# Altium PCB MyNixie - V2-Release.PcbDoc (part 1 of 2) (continued)
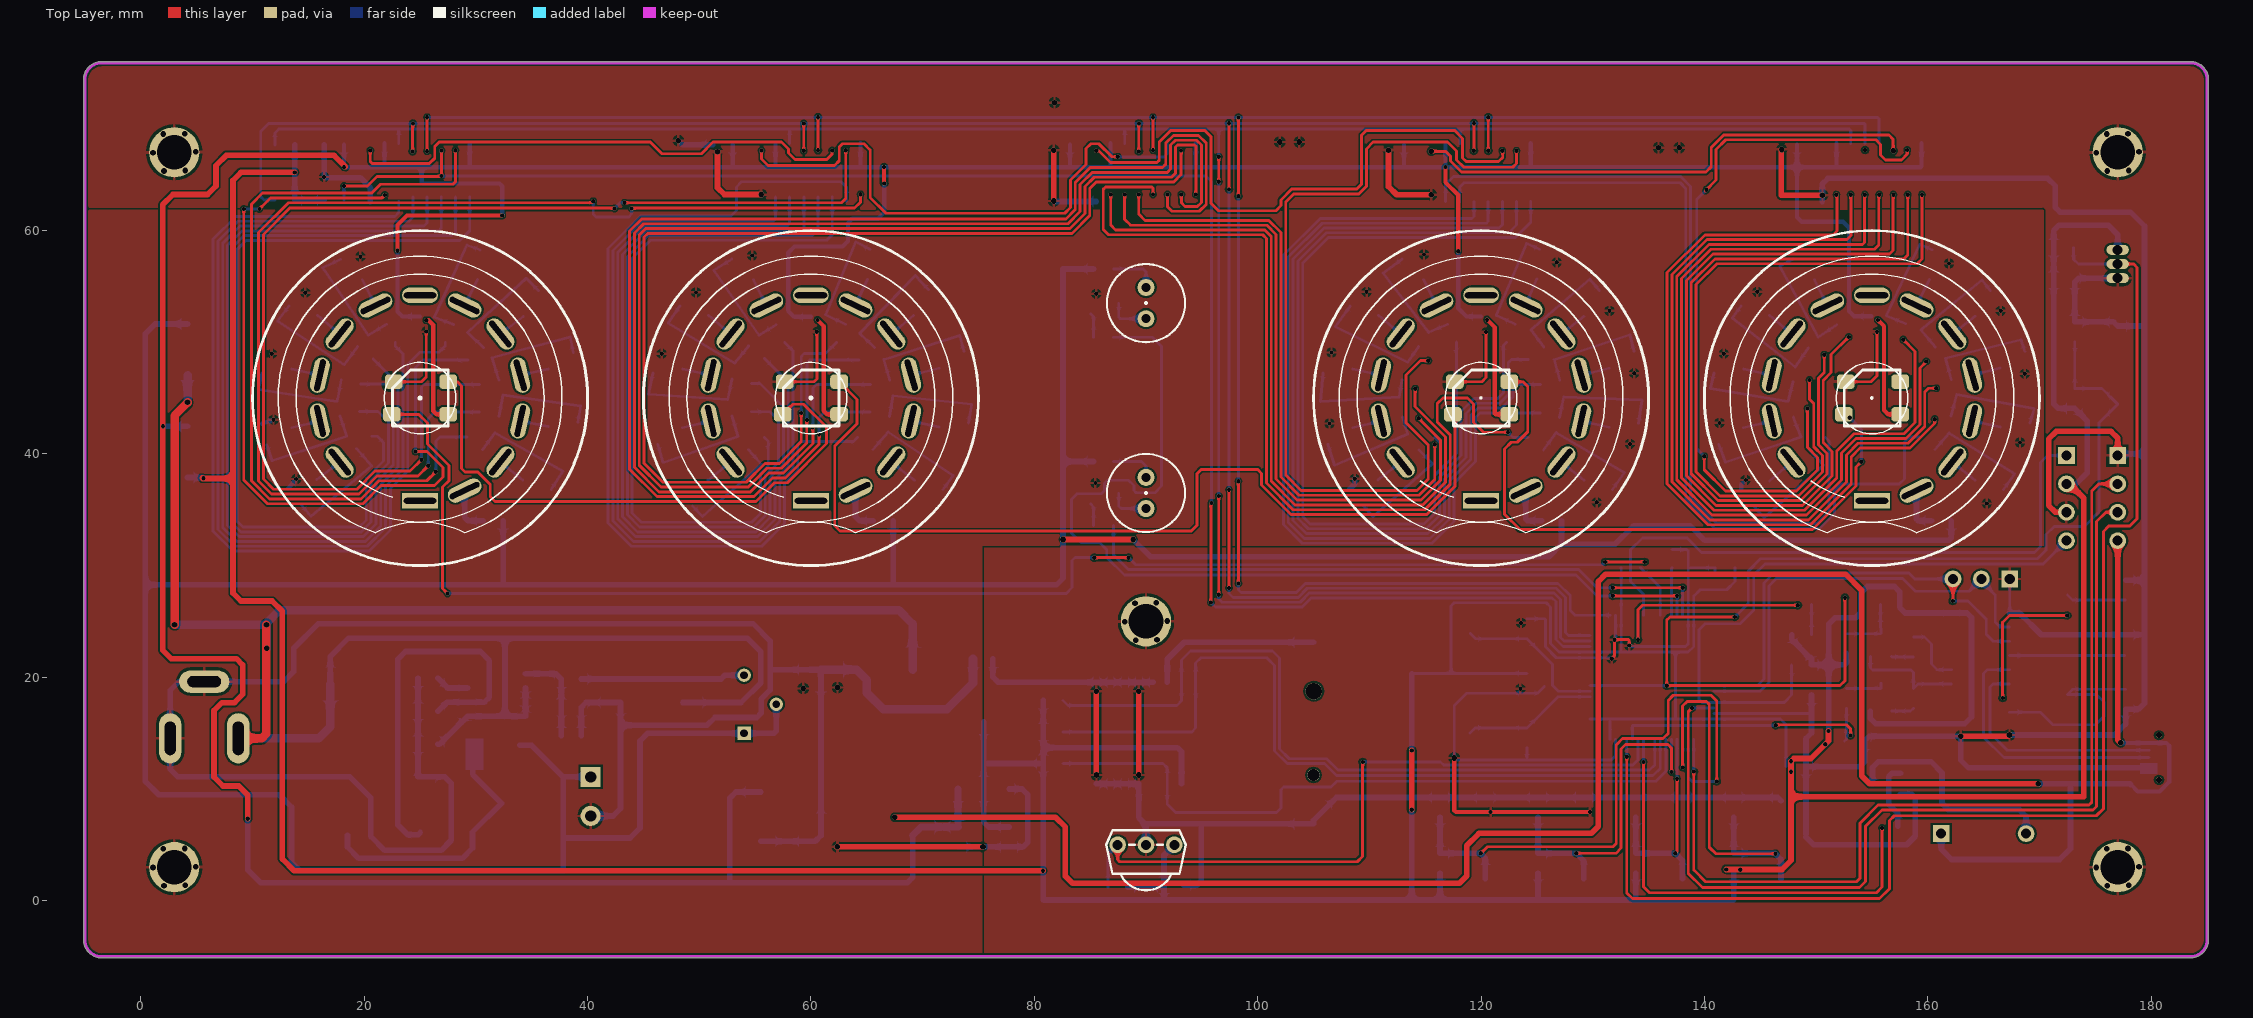
[diagram p0: Top Layer view]
## Footprints (in the part's own frame and the unit in brackets; to place one, negate y for a bottom-side part, rotate by r counter-clockwise, add the part's x,y. Pads: shape width x height; smd on the part's side, far side on the other; paste and mask are expansions set on the pad) (continued)
LC-SOIC-16_150mil [mm]
  oval 0.6x1.8 smd: 1(-4.445,-2.6) 2(-3.175,-2.6) 3(-1.905,-2.6) 4(-0.635,-2.6) 5(0.635,-2.6) 6(1.905,-2.6) 7(3.175,-2.6) 8(4.445,-2.6) 9(4.445,2.6) 10(3.175,2.6) 11(1.905,2.6) 12(0.635,2.6) 13(-0.635,2.6) 14(-1.905,2.6) 15(-3.175,2.6) 16(-4.445,2.6)
  silkscreen extent -5.4,-3.05 4.97,1.4
LC-SOIC-16_300mil [mm]
  oval 0.6x2.3 smd: 1(-4.445,-4.55) 2(-3.175,-4.55) 3(-1.905,-4.55) 4(-0.635,-4.55) 5(0.635,-4.55) 6(1.905,-4.55) 7(3.175,-4.55) 8(4.445,-4.55) 9(4.445,4.55) 10(3.175,4.55) 11(1.905,4.55) 12(0.635,4.55) 13(-0.635,4.55) 14(-1.905,4.55) 15(-3.175,4.55) 16(-4.445,4.55)
  silkscreen extent -5.45,-5.25 5.1,3
LC-SOT-23(SOT-23-3) [mm]
  rect 1.25x0.7 smd: 1(1.25,-0.95) 2(1.25,0.95) 3(-1.25,0)
  silkscreen extent -0.65,-1.46 0.9,1.46, body extent -1.5,-1.5 1.5,1.5, height 1.3
LC-SOT-223 [mm]
  rect 2.2x1 smd: 1(3,-2.3) 2(3,0) 3(3,2.3)
  rect 2.2x3.5 smd: 2(-3,0)
  silkscreen extent -1.4,-3 1.4,3, body extent -3.49,-3.24 3.49,3.24, height 1.64
LC-TO-252-2-180 [mm] "180度编带包装"
  rect 2.2x1.2 smd: 1(0,2.361) 3(0.004,-2.361)
  rect 6.5x6 smd: 2(7,0)
  silkscreen extent 1.5,-3.57 10.75,3.57, body extent -0.2,-3.27 9.74,3.27, height 2.44
"MP1584 MODULE" [mm] "Mini360"
  rect 4x4 smd: 1(-7.429,4.102) 2(-7.429,-4.102) 3(7.43,-4.102) 4(7.43,4.102)
  silkscreen extent -8.47,-5.6 8.6,5.55
NEON [mil]
  round 60 hole 31.5: 1(55,0) 2(-55,0)
  silkscreen extent -138,-138 138,138
QS30-1 [mm]
  rect 3.2x1.4 hole 0.5 slot 2.9 at 0 deg: 1(0,-9.2)
  oval 3.2x1.4 hole 0.5 slot 2.9 at 25.71 deg rot 25.71: 2(3.992,-8.289) 9(-3.992,8.289)
  oval 3.2x1.4 hole 0.5 slot 2.9 at 51.43 deg rot 51.43: 3(7.193,-5.736) 10(-7.193,5.736)
  oval 3.2x1.4 hole 0.5 slot 2.9 at 77.14 deg rot 77.14: 4(8.969,-2.047) 11(-8.969,2.047)
  oval 3.2x1.4 hole 0.5 slot 2.9 at 106.06 deg rot 102.86: 5(8.969,2.047)
  oval 3.2x1.4 hole 0.5 slot 2.9 at 128.57 deg rot 128.57: 6(7.193,5.736) 13(-7.193,-5.736)
  oval 3.2x1.4 hole 0.5 slot 2.9 at 154.29 deg rot 154.29: 7(3.992,8.289)
  oval 3.2x1.4 hole 0.5 slot 2.9 at 0 deg: 8(0,9.2)
  oval 3.2x1.4 hole 0.5 slot 2.9 at 102.86 deg rot 102.86: 12(-8.969,-2.047)
  silkscreen extent -15,-15 15,15, body extent -13.99,-14.02 14,13.97, height 40
SW_PB2_A1 [mm]
  rect 1.5x2.5 smd: 1(0,3.556) 2(0,-3.444)
  silkscreen extent -2,-3.19 2,3.31, body extent -2.03,-3.17 2.03,3.3, height 1.2
TO-92A [mm]
  oval 2x0.9 hole 0.9: 1(0,-1.27) 2(0,0) 3(0,1.27)
  silkscreen extent -2.48,-2.48 1.5,2.48
USB_MICRO [mm] "USB方孔"
  oct 0.4x1.8 smd: 1(1.24,1.651) 2(1.89,1.651) 3(2.54,1.651) 4(3.19,1.651) 5(3.84,1.651)
  oct 2.286x1.9 smd: 6(5.969,-1.27) 7(-0.889,-1.27)
  round 0.54 hole 0.54: ""(0.54,0.753) ""(4.54,0.753)
  silkscreen extent -0.38,-3.56 5.33,1.4, body extent -0.43,-3.61 5.38,1.47, height 1.85
VR_B1 [mm] "Potentiometer; 3 Leads"
  rect 1.2x1.2 hole 0.7: 1(-2.6,0)
  round 1.2 hole 0.7: 2(0,2.873) 3(2.6,0)
  silkscreen extent -3.5,-3 3.5,4
WS2812 [mm]
  rrect50% 1.6x1.3 smd: 1(-2.527,1.461) 2(-2.527,-1.46) 3(2.349,-1.46) 4(2.527,1.461)
  silkscreen extent -2.53,-2.5 2.48,2.5, body extent -2.53,-2.5 2.48,2.5, height 2
X-SM49 [mm]
  oval 4.4x1.5 smd: 1(4.45,0.004) 2(-4.45,-0.004)
  silkscreen extent -5.7,-2.5 5.72,2.5, body extent -5.72,-2.54 5.72,2.54, height 4
螺丝孔-3MM [mm]
  round 4.5 hole 3.1: 1(0,0)

## Part data
BT1: library part Battery, "备份电池"
C1 C2 C3 C4 C5 C6 C7 C8 C11 C15 C16 C17 C18 C19 C20 C21 C22 C23 C24 C27 C28 C29 C30 C31: library part "0805 100nF(104) 10% 50V", "贴片电容"
C9: library part "0805 1nF (102) 10% 50V", "贴片电容"
C10 C12: library part "Cap Pol1", "极性电解电容"
C13 C14 C25 C26: library part "0805 20pF (200) 5% 50V", "贴片电容"
C32: library part "0805 22uF (226) 20% 25V", "贴片电容"
D1: library part "SMB/DO-214AA P6SMB6.8CA", "TVS"
D2: library part "D Schottky", "Schottky Diode"
D3: library part "0805 红灯", "发光二极管"
D4: library part "LL-34 LL4148 LL-34 1206", "开关二极管"
J1: library part PWRCON, "直流电源端子"
J2 J3 J4 J5 J6: library part CHECK, "测试点"
J7: library part USB_M, "MicroUSB接口"
J8: library part BEEP, "蜂鸣器"
L1: library part "Inductor Iron", "Magnetic-Core Inductor"
L2: library part "0805 100uH 10%", "贴片电感"
P1 P2: library part "Header 4", "接插件"
P3: library part "Header 3", "接插件"
Q1 Q2 Q4 Q5 Q6 Q7 Q8 Q9 Q10 Q11 Q12 Q13 Q14 Q15 Q16 Q17 Q18 Q19 Q20 Q21 Q22 Q23 Q24 Q25 Q26 Q27 Q28 Q29 Q30 Q31 Q32 Q33 Q34 Q35 Q36 Q37 Q38 Q39 Q40 Q41 Q42 Q43 Q44 Q46: library part "SOT-23 SS8050 Y1", "三极管"
Q3: library part NMOS-2, "N-Channel Power MOSFET"
Q45: library part "SOT-23 SS8550 Y2", "三极管"
R1 R14 R17 R18 R19 R69 R70 R71 R72: library part "0805 10KΩ (1002) 1%", "贴片电阻"
R2 R9 R22 R23 R24 R25 R26 R29 R30 R31 R32 R33 R34 R35 R36 R37 R38 R40 R41 R42 R43 R44 R45 R46 R47 R48 R49 R50 R51 R52 R53 R54 R55 R56 R57 R58 R59 R61 R62 R63 R64 R65: library part "0805 24KΩ (2402) 1%", "贴片电阻"
R3: library part "0805 2KΩ (2001) 1%", "贴片电阻"
R4: library part "0805 270KΩ (2703) 1%", "贴片电阻"
R5 R11: library part "0805 240KΩ (2403) 1%", "贴片电阻"
R6 R8 R15 R16: library part "0805 20KΩ (2002) 1%", "贴片电阻"
R7: library part RES-RPot, "精密可调电阻"
R10: library part "0805 330Ω (3300) 1%", "贴片电阻"
R12 R21 R27 R39 R66 R67 R68 R73 R75: library part "0805 4.7KΩ (4701) 1%", "贴片电阻"
R13 R20 R28 R60 R74: library part "0805 1KΩ (1001) 1%", "贴片电阻"
S1 S2 S3 S4 S5: library part SW-PB, "微动开关"
T1 T2 T3 T4 T5: library part M3铜柱螺丝孔
T6 T7 T8 T9: library part QS30-1, "南昌辉光管"
U1: library part "MP1584 Module"
U2 U3 U4 U5: library part WS2812-LED
U6: library part MC34063A
U7: library part STM32F103RBT6, "ARM"
U8: library part CH340G, "USB"
U9 U10 U11 U12 U13: library part 74HC595D, "74系列逻辑芯片"
U14: library part DS18B20, "温度传感器"
U15: library part DS3231M+TRL, "实时时钟"
U16: library part HS0038B, "红外接收器"
UP1 UP2: library part Neon, "氖泡"
VR1: library part "SOT-223 AMS1117-3.3", "低压差线性稳压(LDO)"
Y1 Y2: library part XTAL, "晶振"

## Via types
v1: diameter 0.381, hole 0.381, Top Layer to Bottom Layer, 190 vias
v2: diameter 0.508, hole 0.508, Top Layer to Bottom Layer, 66 vias

## Nets (pads, with @x,y where several pads share a name; then routed paths per layer and width w, separated by ;. In a path a pad name is that pad's centre, name@x,y a point inside that pad or via, vN(x,y) a via of type N, cw(c..) or ccw(c..) an arc to the next point about the centre after c; other vN are vias at no path point)
3V3: C2.2 C15.1 C16.1 C17.1 C27.2 C32.1 D3.A J5.1 P1.2 Q45.2 R1.1 R12.2 R18.1 R19.2 R21.1 R27.1 R39.1 R66.2 R67.2 R68.2 R69.1 R70.1 R71.1 R72.1 R73.1 R75.1 U7.1 U7.13 U7.19 U7.32 U7.48 U7.64 U8.16 U14.3 U15.2 U16.3 VR1.2 | length 553
  Top Layer w0.508: v1@5.486,37.846 5.537,37.795 8.255,37.795 ; v1(13.792,65.202) 8.966,65.202 8.255,64.491 8.255,37.795 ; v1(80.772,2.667) 13.741,2.667 12.675,3.734 12.675,25.908 11.76,26.822 8.966,26.822 8.255,27.534 8.255,37.795 ; v1(113.792,8.128) v1(113.792,13.437) ; v1(141.961,2.794) 146.939,2.794 147.752,3.607 147.752,9.296 ; v1(151.105,15.189) 151.105,14.3 149.53,12.725 148.006,12.725 v1(147.752,12.471) v1(147.752,11.532) 147.752,9.296 ; P1.2@172.415,37.313 172.695,37.313 173.965,36.043 173.965,9.296 147.752,9.296
  Bottom Layer w0.254: 113.792,20.295 113.848,20.35 C16.1@124.1,20.35 ; 117.318,20.35 117.318,26.386 117.602,26.67 125.832,26.67 126.213,26.289 126.213,23.012 126.975,22.25 U7.13@129.75,22.25 132.511,22.25 ; U7.1@129.75,16.25 131.496,16.25 ; U7.64@131.55,14.45 131.55,16.196 131.496,16.25 ; R12.2@132.51,29.8 132.55,29.76 U7.19@132.55,25.55 132.55,22.289 132.511,22.25 ; C17.1@142.738,29.8 142.738,28.576 142,27.838 139.624,27.838 139.05,27.265 U7.32@139.05,25.55 139.05,22.769 138.531,22.25 137.414,22.25 ; C15.1@147.31,12 147.31,15.758 146.818,16.25 U7.48@140.85,16.25 137.389,16.25 ; 131.496,16.25 137.389,16.25 ; 132.511,22.25 137.414,22.25 ; 137.389,16.25 137.414,16.275 137.414,22.25
  Bottom Layer w0.508: J5.1@4.183,37.878 5.556,37.878 v1(5.613,37.821) ; R27.1@13.79,67.67 R21.1@13.79,62.737 R39.1@16.41,62.737 ; VR1.2@75.465,16 75.465,12.3 ; C2.2@77.73,6.59 75.91,6.59 75.465,7.035 VR1.2@75.465,10 75.465,12.3 ; R68.2@80.79,17.93 R67.2@80.79,15.105 80.79,13.7 ; R75.1@88.39,1.2 C32.1@91.61,1.2 ; 91.61,0.068 C32.1@91.61,1.2 ; U16.3@92.54,5 91.61,4.07 C32.1@91.61,1.2 ; U15.2@93.175,10.45 93.175,13.325 92.8,13.7 80.79,13.7 ; v1(113.792,8.128) 113.792,0.053 ; v1(113.792,13.437) 113.792,20.295 ; R72.1@116.33,2.455 116.33,0.053 ; R71.1@125.097,2.455 125.097,0.054 125.095,0.053 ; R70.1@133.863,2.455 133.863,0.109 133.807,0.053 ; R69.1@142.63,2.455 142.63,0.111 142.572,0.053 133.807,0.053 ; D3.A@147.81,23.803 147.81,23.386 149.59,21.606 R1.1@149.59,21.107 151.13,21.107 ; v1(150.825,13.995) 151.13,14.3 151.13,21.107 ; R19.2@152.71,22.12 152.71,21.265 152.552,21.107 151.13,21.107 ; Q45.2@154.86,16.967 154.86,16.311 155.346,15.824 163.297,15.824 163.906,16.434 163.906,25.349 163.497,25.758 U8.16@162.12,25.758 157.985,25.758 157.48,26.264 157.48,27.661 157.023,28.118 154.584,28.118 154,27.534 154,25.781 153.547,25.328 151.693,25.328 151.13,24.765 151.13,21.107 ; P1.2@172.415,37.313 173.279,37.313 174.269,38.303 174.269,42.953 R18.1@173.15,44.072 171.675,44.072 171.272,44.476 C27.2@171.272,55.551 R66.2@171.272,58.449 171.272,59.994 171.755,60.477 176.149,60.477 177,59.626 U14.3@177,58.27 ; 75.465,12.3 75.485,12.28 R73.1@80.79,12.28 ; R73.1@80.79,12.28 80.79,0.084 80.821,0.053 113.792,0.053 ; R73.1@80.79,12.28 80.79,13.7 ; 113.792,0.053 116.33,0.053 ; 116.33,0.053 125.095,0.053 ; 125.095,0.053 133.807,0.053
  other v1: 143.205,2.769
+5: C1.2 C4.1 C5.1 C6.1 C7.1 C19.1 C20.1 C21.1 C22.1 C23.1 D1.1 J4.1 J7.1 J8.1 P2.4 U1.3 U2.1 U3.1 U4.1 U5.1 U9.10 U9.16 U10.10 U10.16 U11.10 U11.16 U12.10 U12.16 U13.10 U13.16 VR1.3 | length 682.8
  Top Layer w0.381: v1(22.987,58.191) 22.987,60.503 23.825,61.341 v1(32.36,61.341) ; 25.756,51.968 26.187,51.537 26.187,43.84 26.488,43.539 U2.1@27.527,43.539 ; v1(60.579,51.994) 61.138,51.435 61.138,43.866 61.464,43.539 U3.1@62.527,43.539 ; v1@66.548,64.237 v1(66.548,65.684) ; v1(116.815,65.684) 116.815,64.313 117.958,63.17 v1(117.958,58.141) ; v1(120.523,52.019) 121.234,51.308 121.234,43.612 121.307,43.539 U4.1@122.527,43.539 ; v1(155.524,51.994) 156.083,51.435 156.083,43.917 156.46,43.539 U5.1@157.527,43.539
  Top Layer w0.508: v1(9.576,7.341) 9.576,9.449 8.763,10.262 7.366,10.262 6.553,11.074 6.553,17.018 7.264,17.729 8.382,17.729 9.119,18.466 9.119,21.107 8.56,21.666 2.718,21.666 1.956,22.428 1.956,62.306 2.87,63.221 5.969,63.221 6.731,63.983 6.731,65.811 7.645,66.726 17.297,66.726 v1@18.313,65.71 ; v2(67.513,7.468) 81.89,7.468 82.779,6.579 82.779,2.184 83.414,1.549 118.059,1.549 118.72,2.21 118.72,4.928 119.812,6.02 129.87,6.02 130.505,6.655 130.505,28.575 131.166,29.235 152.629,29.235 154.076,27.788 154.076,11.176 154.788,10.465 v2(169.875,10.465) ; P2.4@177,32.233 177,14.389 v2(177.267,14.122)
  Bottom Layer w0.381: C19.1@18.19,67.67 v1(18.19,65.663) 25.146,65.663 ; 21.825,65.682 U9.10@21.825,67.803 ; v1(22.987,58.191) 22.987,52.73 23.418,52.3 C4.1@25,52.3 ; 29.445,65.694 U9.16@29.445,67.803 ; v1(32.36,61.341) 32.36,63.957 32.106,64.211 25.248,64.211 25.146,64.313 25.146,65.663 ; 52.99,65.682 C20.1@52.99,67.67 ; 56.825,65.683 U10.10@56.825,67.803 ; C7.1@59.995,52.274 58.495,52.274 57.963,52.807 57.963,58.014 58.522,58.572 62.846,58.572 63.322,59.049 63.322,60.681 63.703,61.062 65.989,61.062 66.573,61.646 v1(66.573,64.211) ; 64.445,65.683 U10.16@64.445,67.803 ; 83.19,65.683 C21.1@83.19,67.67 ; 86.825,65.67 U11.10@86.825,67.803 ; 94.445,65.696 U11.16@94.445,67.803 ; 113.09,65.697 C22.1@113.09,67.67 ; v1@116.825,65.678 U12.10@116.825,67.803 ; v1(117.958,58.141) 117.958,53.035 118.693,52.3 C6.1@120,52.3 ; 124.445,65.678 U12.16@124.445,67.803 ; C23.1@148.29,67.67 148.29,65.663 ; 151.825,65.672 U13.10@151.825,67.803 ; C5.1@154.965,52.325 153.39,52.325 152.933,52.781 152.933,60.249 152.4,60.782 148.692,60.782 148.29,61.184 148.29,65.663 ; U13.16@159.445,67.803 159.445,65.752 159.356,65.663 148.29,65.663 ; v2@177.254,14.11 J7.1@179.799,14.11 181.368,14.11 181.61,13.868 181.61,10.617 180.772,9.779 178.791,9.779 178.181,10.389 ; 25.146,65.663 148.29,65.663
  Bottom Layer w0.508: v1@1.956,42.494 v1(1.987,42.463) J4.1@4.183,42.463 ; v1(9.576,7.341) 9.576,2.743 10.719,1.6 68.631,1.6 69.102,2.072 U1.3@69.102,5.819 ; 52.73,1.6 52.73,9.169 53.29,9.729 D1.1@55.5,9.729 ; J8.1@161.2,6 161.2,4.611 162.128,3.683 171.806,3.683 172.771,4.648 172.771,10.439 ; v2(169.875,10.465) 178.105,10.465 178.181,10.389
  Bottom Layer w0.635: U1.3@69.102,5.819 69.873,6.59 C1.2@73.2,6.59 73.165,6.625 VR1.3@73.165,10
  other v1: 25.552,51.968
+12: C11.2 C12.1 J1.1 J3.1 L1.1 U1.2 U6.1 U6.6 U6.7 U6.8 | length 192.3
  Top Layer w0.762: v2(3.023,24.714) 3.023,43.434 4.183,44.594 v2(4.183,44.611) ; J1.1@8.724,14.53 10.822,14.53 11.252,14.961 v2(11.252,24.714)
  Bottom Layer w0.508: L1.1@16.96,19.383 16.96,21.86 18.6,23.5 54.3,23.5 55.5,22.3 55.5,19.5 53.735,17.735 C12.1@48.534,17.735 ; C11.2@26.6,14 26.745,14 U6.1@29.25,16.505 32.6,16.505 ; 32.6,23.5 32.6,16.505 ; U6.6@34.45,19.045 U6.7@34.45,17.775 U6.8@34.45,16.505 32.6,16.505
  Bottom Layer w0.762: v2(3.023,24.714) v2(11.252,24.714) ; J3.1@4.183,47.048 v2(4.183,44.611) v2@4.191,44.602 ; J1.1@8.724,14.53 15.93,14.53 16.96,15.56 L1.1@16.96,19.383 ; v2(11.278,22.606) 11.278,24.867 12.421,26.01 67.869,26.01 69.102,24.776 U1.2@69.102,20.678
BEEP: R74.1 U7.58 | length 40.3
  Top Layer w0.254: v1(134.55,12.414) 134.55,1.238 135.077,0.711 155.397,0.711 155.905,1.219 v1(155.905,6.502)
  Bottom Layer w0.254: U7.58@134.55,14.45 v1(134.55,12.414) v1@134.569,12.395
BT0: R17.2 R60.1 U7.60 | length 24.5
  Top Layer w0.254: v1(146.38,15.697) 146.431,15.748 152.73,15.748 153.086,15.392 v1(153.086,14.783)
  Bottom Layer w0.254: U7.60@133.55,14.45 133.55,15.688 146.371,15.688 v1(146.38,15.697) ; R17.2@152.555,14.3 152.71,14.455 R60.1@152.71,17.22
BT1: R14.2 U7.28 | length 4.3
  Bottom Layer w0.254: U7.28@137.05,25.55 137.05,29.74 R14.2@137.11,29.8
DGND: BT1.2 C3.1 C13.1 C14.1 C15.2 C16.2 C17.2 C18.1 C19.2 C20.2 C21.2 C22.2 C23.2 C24.2 C25.2 C26.2 C27.1 C28.1 C29.1 C30.1 C31.1 C32.2 J7.4 J7.5 L2.2 P1.3 P2.1 P3.1 Q46.2 R14.1 R17.1 S1.2 S2.1 S3.1 S4.1 S5.1 T2.1 T3.1 T4.1 T5.1 U7.12 U7.18 U7.31 U7.47 U7.63 U8.1 U9.8 U10.8 U11.8 U12.8 U13.8 U14.1 U15.5 U15.6 U15.7 U15.8 U15.9 U15.10 U15.11 U15.12 U15.13 U16.2 | length 447.4
  Top Layer w0.254: v1(131.699,21.666) 131.953,21.92 v1(131.953,23.368) 133.198,23.368 133.274,23.292 v1(133.274,22.835)
  Top Layer w0.381: v2(117.602,12.776) 117.602,8.077 117.754,7.925 v1(120.853,7.925) v1(129.743,7.925)
  Top Layer w0.508: v2(51.638,67.056) 51.638,63.83 52.248,63.221 v2(55.55,63.221) ; v2(81.737,62.636) v2(81.737,67.183) ; v2@85.547,11.278 v2(85.547,18.745) ; v2(89.357,11.252) v2(89.357,18.745) ; v2(111.709,67.183) 111.709,63.932 112.446,63.195 v2(115.545,63.195) ; v2@146.888,67.234 146.888,63.17 v2(150.571,63.17) ; v2(162.941,14.732) 167.208,14.732 v2(167.31,14.834) ; P1.3@172.415,34.773 171.425,34.773 170.815,35.382 170.815,41.326 171.501,42.012 176.403,42.012 177,41.415 P2.1@177,39.853
  Bottom Layer w0.254: 124.1,12.598 C13.1@124.1,13.689 ; C14.1@124.1,25.232 125.669,25.232 125.755,25.146 125.755,22.733 126.738,21.75 U7.12@129.75,21.75 131.615,21.75 v1(131.699,21.666) ; 125.654,19.177 125.047,18.57 C16.2@124.1,18.57 118.697,18.57 117.602,17.475 v2(117.602,12.776) 117.796,12.582 131.657,12.582 132.05,12.975 U7.63@132.05,14.45 ; v1(131.953,23.368) 132.05,23.465 U7.18@132.05,25.55 ; v1@133.274,22.758 138.303,22.758 138.55,23.005 U7.31@138.55,25.55 138.55,31.325 138.45,31.425 R14.1@137.109,31.425 ; 138.595,29.8 C17.2@140.958,29.8 C17.2@140.958,29.129 ; U7.47@140.85,16.75 149.553,16.75 149.59,16.713 ; U8.1@167.32,25.758 167.335,25.774 P3.1@167.335,28.804
  Bottom Layer w0.508: C19.2@16.41,67.67 v1(16.41,64.794) 16.485,64.719 19.66,64.719 20.555,63.824 U9.8@20.555,62.603 ; v2(48.133,68.047) 48.51,67.67 C20.2@51.21,67.67 ; L2.2@76.29,21.645 76.29,20.027 76.767,19.55 U15.9@85.555,19.55 U15.10@86.825,19.55 U15.11@88.095,19.55 U15.12@89.365,19.55 U15.13@90.635,19.55 ; v2@81.737,62.603 U11.8@85.555,62.603 ; U15.8@85.555,10.45 U15.7@86.825,10.45 U15.6@88.095,10.45 U15.5@89.365,10.45 89.365,7.435 90,6.8 ; U16.2@90,5 90,6.8 ; C32.2@93.39,1.378 94.57,1.378 94.945,1.753 94.945,6.796 95.021,6.872 ; S2.1@146.862,8.947 146.574,9.235 C28.1@142.63,9.235 C29.1@133.863,9.235 C30.1@125.097,9.235 C31.1@116.33,9.235 107.046,9.235 105,7.188 BT1.2@105,6.872 95.021,6.872 ; 149.09,5.672 149.758,5.004 158.115,5.004 158.877,5.766 158.877,9.195 158.562,9.51 Q46.2@157.55,9.51 ; 149.09,5.977 C15.2@149.09,12 ; C3.1@149.59,18.41 149.59,16.713 149.59,15.011 149.09,14.511 C15.2@149.09,12 ; U13.8@150.555,62.603 150.555,64.17 151.054,64.668 170.739,64.668 171.425,63.983 171.425,62.052 171.831,61.646 178.156,61.646 179.4,60.401 179.4,40 ; v2(167.31,14.834) 176.733,14.834 177.71,15.81 C26.2@177.71,17.138 178.86,17.138 179.4,17.678 179.4,28.682 ; U8.1@167.32,25.758 168.196,25.758 170.154,23.8 C24.2@177.71,23.8 179.349,23.8 ; P2.1@177,40 179.4,40 ; U14.1@177,55.73 173.485,55.73 173.15,55.395 C18.1@173.15,51.816 176.628,51.816 S1.2@177,51.444 179.34,51.444 179.4,51.384 ; C25.2@177.71,28.682 179.4,28.682 ; 179.832,11.887 163.652,11.887 162.941,12.598 v2(162.941,14.732) 154.767,14.732 R17.1@154.335,14.3 154.335,12.425 153.91,12 C15.2@149.09,12 ; 90,6.8 90.072,6.872 95.021,6.872 ; 179.4,28.682 179.4,40
  other v1: 123.52,18.974 123.571,24.867
  other v2: 176.08,1.326 177.99,1.366 175.09,2.96 178.91,3.04 176.01,4.634 177.92,4.674 85.573,11.252 89.08,23.326 90.99,23.366 88.09,24.96 91.91,25.04 89.01,26.634 90.92,26.674 2.08,65.326 176.08,65.326 3.99,65.366 177.99,65.366 1.09,66.96 175.09,66.96 4.91,67.04 178.91,67.04 146.914,67.259 135.89,67.412 137.744,67.412 101.981,67.92 103.734,67.92 2.01,68.634 176.01,68.634 3.92,68.674 177.92,68.674 81.813,71.45
DIN: R39.2 U7.14 U9.14 | length 157.8
  Top Layer w0.254: v1(18.19,63.979) 20.291,63.979 21.158,64.846 26.899,64.846 v1(26.924,64.872) v1(26.924,67.158) ; v1(95.809,26.695) 95.809,35.509 95.885,35.585 v1(95.86,35.611)
  Bottom Layer w0.254: R39.2@18.19,62.737 v1(18.19,63.979) ; v1(26.924,64.872) 95.377,64.872 95.86,64.389 v1(95.86,35.611) v1@95.834,35.585 ; v1(95.809,26.695) 96.215,26.289 103.988,26.289 104.8,27.102 126.365,27.102 126.695,26.772 126.695,23.393 127.339,22.75 U7.14@129.75,22.75
DOT1: R2.2 U7.29 | length 89
  Top Layer w0.254: v1(131.792,27.289) v1(137.55,27.289)
  Bottom Layer w0.254: R2.2@87.086,50.438 90.583,50.438 91.389,49.632 91.389,37.109 90.805,36.525 89.129,36.525 88.925,36.728 88.925,37.16 88.443,37.643 86.538,37.643 86.284,37.389 86.284,36.703 86.004,36.424 83.82,36.424 83.337,35.941 83.337,32.893 84.176,32.055 85.852,32.055 86.487,31.42 86.487,30.734 88.062,29.159 128.499,29.159 130.369,27.289 v1(131.792,27.289) ; U7.29@137.55,25.55 v1(137.55,27.289)
DOT2: R9.2 U7.30 | length 57.3
  Top Layer w0.254: v1@131.751,28.015 v1(131.792,28.015) v1(138.05,28.015)
  Bottom Layer w0.254: R9.2@87.086,33.576 87.086,30.973 88.417,29.642 128.753,29.642 130.379,28.015 v1(131.792,28.015) ; U7.30@138.05,25.55 v1(138.05,28.015)
DS18B20: R66.1 U7.61 U14.2 | length 121.4
  Top Layer w0.254: v1(133.05,12.883) 133.05,0.681 133.553,0.178 155.677,0.178 156.566,1.067 156.566,7.163 156.997,7.595 175.082,7.595 175.717,8.23 175.717,33.045 176.2,33.528 178.079,33.528 178.74,34.188 178.74,56.693 178.433,57 U14.2@177,57
  Bottom Layer w0.254: v1(133.05,12.883) U7.61@133.05,14.45 ; R66.1@173.052,58.449 173.052,57.428 173.48,57 U14.2@177,57
GND: C1.1 C2.1 C4.2 C5.2 C6.2 C7.2 C8.1 C9.2 C10.2 C11.1 C12.2 D1.2 J1.2 J1.3 J6.1 L2.1 Q1.2 Q2.2 Q3.3 Q4.2 Q5.2 Q6.2 Q7.2 Q8.2 Q9.2 Q10.2 Q11.2 Q12.2 Q13.2 Q14.2 Q15.2 Q16.2 Q17.2 Q18.2 Q19.2 Q20.2 Q21.2 Q22.2 Q23.2 Q24.2 Q25.2 Q26.2 Q27.2 Q28.2 Q29.2 Q30.2 Q31.2 Q32.2 Q33.2 Q34.2 Q35.2 Q36.2 Q37.2 Q38.2 Q39.2 Q40.2 Q41.2 Q42.2 Q43.2 R3.1 R10.1 T1.1 U1.1 U1.4 U2.3 U3.3 U4.3 U5.3 U6.4 VR1.1 | length 253.6
  Top Layer w0.254: U2.3@22.651,46.46 25.124,46.46 25.552,46.888 v1(25.552,50.952) ; U3.3@57.651,46.46 60.278,46.46 60.528,46.711 v1(60.528,50.927) ; U4.3@117.65,46.46 120.07,46.46 120.447,46.838 v1(120.447,50.902) ; U5.3@152.651,46.46 154.915,46.46 155.448,46.994 v1(155.448,50.927)
  Top Layer w0.508: v2@62.332,4.775 v2(62.366,4.81) v2(75.413,4.81)
  Bottom Layer w0.381: Q12.2@10.86,42.708 v1(11.887,43.053) ; Q13.2@13.21,36.893 v1(13.919,37.744) ; Q43.2@143.29,36.753 143.29,37.271 v1(143.688,37.668)
  Bottom Layer w0.508: C9.2@24.82,19.91 R10.1@24.82,16.955 C11.1@24.82,14 24.82,11.081 27.219,11.081 27.8,10.5 27.8,5.4 26.9,4.5 21.84,4.5 20.6,5.74 20.6,9.2 18.719,11.081 3.319,11.081 2.628,11.772 J1.2@2.628,14.53 2.628,18.828 3.41,19.61 J1.3@5.676,19.61 12.81,19.61 13.7,20.5 13.7,22.6 15.9,24.8 54.8,24.8 56.347,23.253 56.347,18.847 55.55,18.05 55.55,16.789 55.16,16.4 51.4,16.4 50.7,15.7 42.946,15.7 ; R3.1@39.43,14.755 C8.1@39.43,17.302 39.863,17.735 C12.2@42.946,17.735 42.946,15.7 ; C10.2@40.28,7.58 42.28,7.58 42.946,8.246 42.946,15.7 ; D1.2@55.5,5.309 60.388,5.309 U1.4@60.898,5.819 U1.1@60.898,20.678 56.35,20.678 ; C1.1@73.2,4.81 v2(75.413,4.81) C2.1@77.73,4.81 79.01,4.81 79.4,5.2 79.4,9.5 78.9,10 VR1.1@77.765,10 ; Q33.2@108.24,36.853 108.687,37.3 v1(108.687,37.77)
  Bottom Layer w0.762: U1.1@60.898,20.678 64.081,20.678 64.999,19.761 64.999,18.618 66.472,17.145 72.187,17.145 74.51,19.468 L2.1@74.51,21.645
  other v1: 165.278,35.56 130.353,35.662 85.471,37.389 133.325,40.894 168.25,41.021 106.426,42.723 141.351,42.774 168.681,47.168 133.706,47.219 11.735,48.971 46.634,48.971 141.732,48.971 106.604,49.073 131.496,52.807 166.522,52.807 85.547,54.331 14.732,54.432 49.708,54.458 109.753,54.508 144.729,54.508 161.9,57.048 126.771,57.15 19.66,57.658 54.737,57.76 114.884,57.861
  other v2: 2.08,1.326 3.99,1.366 1.09,2.96 4.91,3.04 2.01,4.634 3.92,4.674 59.309,18.999 62.382,19.075
HX1838: R75.2 U7.59 U16.1 | length 63
  Top Layer w0.254: U16.1@87.46,5 87.46,3.675 87.655,3.48 108.915,3.48 109.398,3.962 v1(109.398,12.421)
  Bottom Layer w0.254: R75.2@86.61,1.2 86.61,4.15 U16.1@87.46,5 ; v1(109.398,12.421) 116.383,12.421 116.653,12.15 133.57,12.15 133.579,12.141 134.05,12.613 U7.59@134.05,14.45
INT#/SQW: R73.2 U7.54 U15.3 | length 63
  Bottom Layer w0.254: R73.2@82.57,12.28 91.52,12.28 91.905,11.895 U15.3@91.905,10.45 91.905,8.654 92.659,7.899 101.676,7.899 102.083,8.306 102.083,9.931 102.311,10.16 106.578,10.16 107.112,10.693 135.661,10.693 136.55,11.582 U7.54@136.55,14.45
KEY1: C28.2 R69.2 S2.2 U7.51 | length 39.1
  Top Layer w0.254: v1(138.05,11.914) 138.05,17.425 138.455,17.831 140.183,17.831 140.437,17.577 140.437,4.775 141.021,4.191 v1(146.355,4.191)
  Bottom Layer w0.254: v1(138.05,11.914) U7.51@138.05,14.45
  Bottom Layer w0.508: C28.2@142.63,7.455 R69.2@142.63,4.235 146.311,4.235 v1(146.355,4.191) 146.862,3.684 S2.2@146.862,1.947
KEY2: C29.2 R70.2 S3.2 U7.52 | length 19.6
  Top Layer w0.254: v1(137.396,4.235) 137.55,4.389 v1(137.55,10.913)
  Bottom Layer w0.254: v1(137.55,10.913) U7.52@137.55,14.45
  Bottom Layer w0.508: C29.2@133.863,7.455 R70.2@133.863,4.235 v1(137.396,4.235) 138.034,3.596 S3.2@138.034,1.947
KEY3: C30.2 R71.2 S4.2 U7.53 | length 32.2
  Top Layer w0.254: v1(128.531,4.235) 132.073,4.235 132.537,4.699 132.537,13.564 132.944,13.97 136.728,13.97 137.05,13.648 v1(137.05,11.515)
  Bottom Layer w0.254: v1(137.05,11.515) U7.53@137.05,14.45
  Bottom Layer w0.508: C30.2@125.097,7.455 R71.2@125.097,4.235 v1(128.531,4.235) 129.206,3.56 S4.2@129.206,1.947
KEY4: C31.2 R72.2 S5.2 U7.50 | length 56.8
  Top Layer w0.254: v1(119.971,4.235) 120.562,4.826 131.826,4.826 132.105,5.105 132.105,13.945 132.664,14.503 136.296,14.503 136.754,14.961 136.754,17.932 137.211,18.39 140.589,18.39 141.097,17.882 v1(141.097,10.668)
  Bottom Layer w0.254: U7.50@138.55,14.45 138.55,11.031 138.913,10.668 v1(141.097,10.668)
  Bottom Layer w0.508: C31.2@116.33,7.455 R72.2@116.33,4.235 v1(119.971,4.235) 120.378,3.828 S5.2@120.378,1.947
LAMP: P1.1 U7.23 | length 54.3
  Bottom Layer w0.254: U7.23@134.55,25.55 134.55,27.426 133.395,28.581 133.395,31.414 134.442,32.461 138.455,32.461 139.751,31.166 169.545,31.166 170.078,31.699 170.078,39.218 170.713,39.853 P1.1@172.415,39.853
LATCHCLK: R21.2 U7.16 U9.12 U10.12 U11.12 U12.12 U13.12 | length 241
  Top Layer w0.254: v1(24.333,67.081) 24.333,69.539 v1(24.365,69.571) ; v1(59.36,67.132) v1@59.36,69.545 ; v1@89.357,67.056 v1@89.357,69.479 ; v1(97.434,27.991) v1(97.434,36.779) ; v1(97.434,63.678) v1(97.434,69.596) ; v1@119.365,67.208 v1@119.365,69.509
  Bottom Layer w0.254: R21.2@12.01,62.737 11.025,62.737 10.744,63.017 10.744,68.859 11.455,69.571 v1(24.365,69.571) v1(59.36,69.571) 154.33,69.571 154.365,69.536 U13.12@154.365,67.803 ; v1(97.434,27.991) 97.434,27.508 97.79,27.153 103.63,27.153 104.443,27.965 126.723,27.965 127.559,27.129 127.559,24.021 127.83,23.75 U7.16@129.75,23.75 ; v1(97.434,36.779) v1(97.434,63.678)
  other v1: 89.357,67.081 119.355,67.132 154.381,67.201 89.365,69.588 119.365,69.611
LED_DEBUG: R13.2 U7.22 | length 19.3
  Top Layer w0.254: v1(134.05,23.368) 134.05,26.049 134.442,26.441 v1(148.361,26.441)
  Bottom Layer w0.254: v1(134.05,23.368) U7.22@134.05,25.55
METALKEY: C3.2 P1.4 R1.2 U7.45 | length 55.6
  Bottom Layer w0.254: R1.2@147.81,21.107 C3.2@147.81,18.41 147.15,17.75 U7.45@140.85,17.75 139.806,17.75 139.522,18.034 139.522,24.257 140.056,24.79 143.18,24.79 144.412,26.022 144.412,29.147 145.415,30.15 170.332,30.15 P1.4@172.415,32.233
NetBT1_1: BT1.1 U15.14 | length 15.8
  Bottom Layer w0.508: U15.14@91.905,19.55 91.905,21.605 93.428,23.128 BT1.1@105,23.128
NetC8_2: C8.2 R3.2 R4.1 U6.5 | length 8.5
  Bottom Layer w0.508: U6.5@34.45,20.315 37.185,20.315 R4.1@37.65,19.85 C8.2@37.65,17.302 R3.2@37.65,14.755
NetC9_1: C9.1 U6.3 | length 3
  Bottom Layer w0.508: C9.1@26.6,19.91 27.465,19.045 U6.3@29.25,19.045